# KiCad board KLST_PANDA_PROTO.kicad_pcb
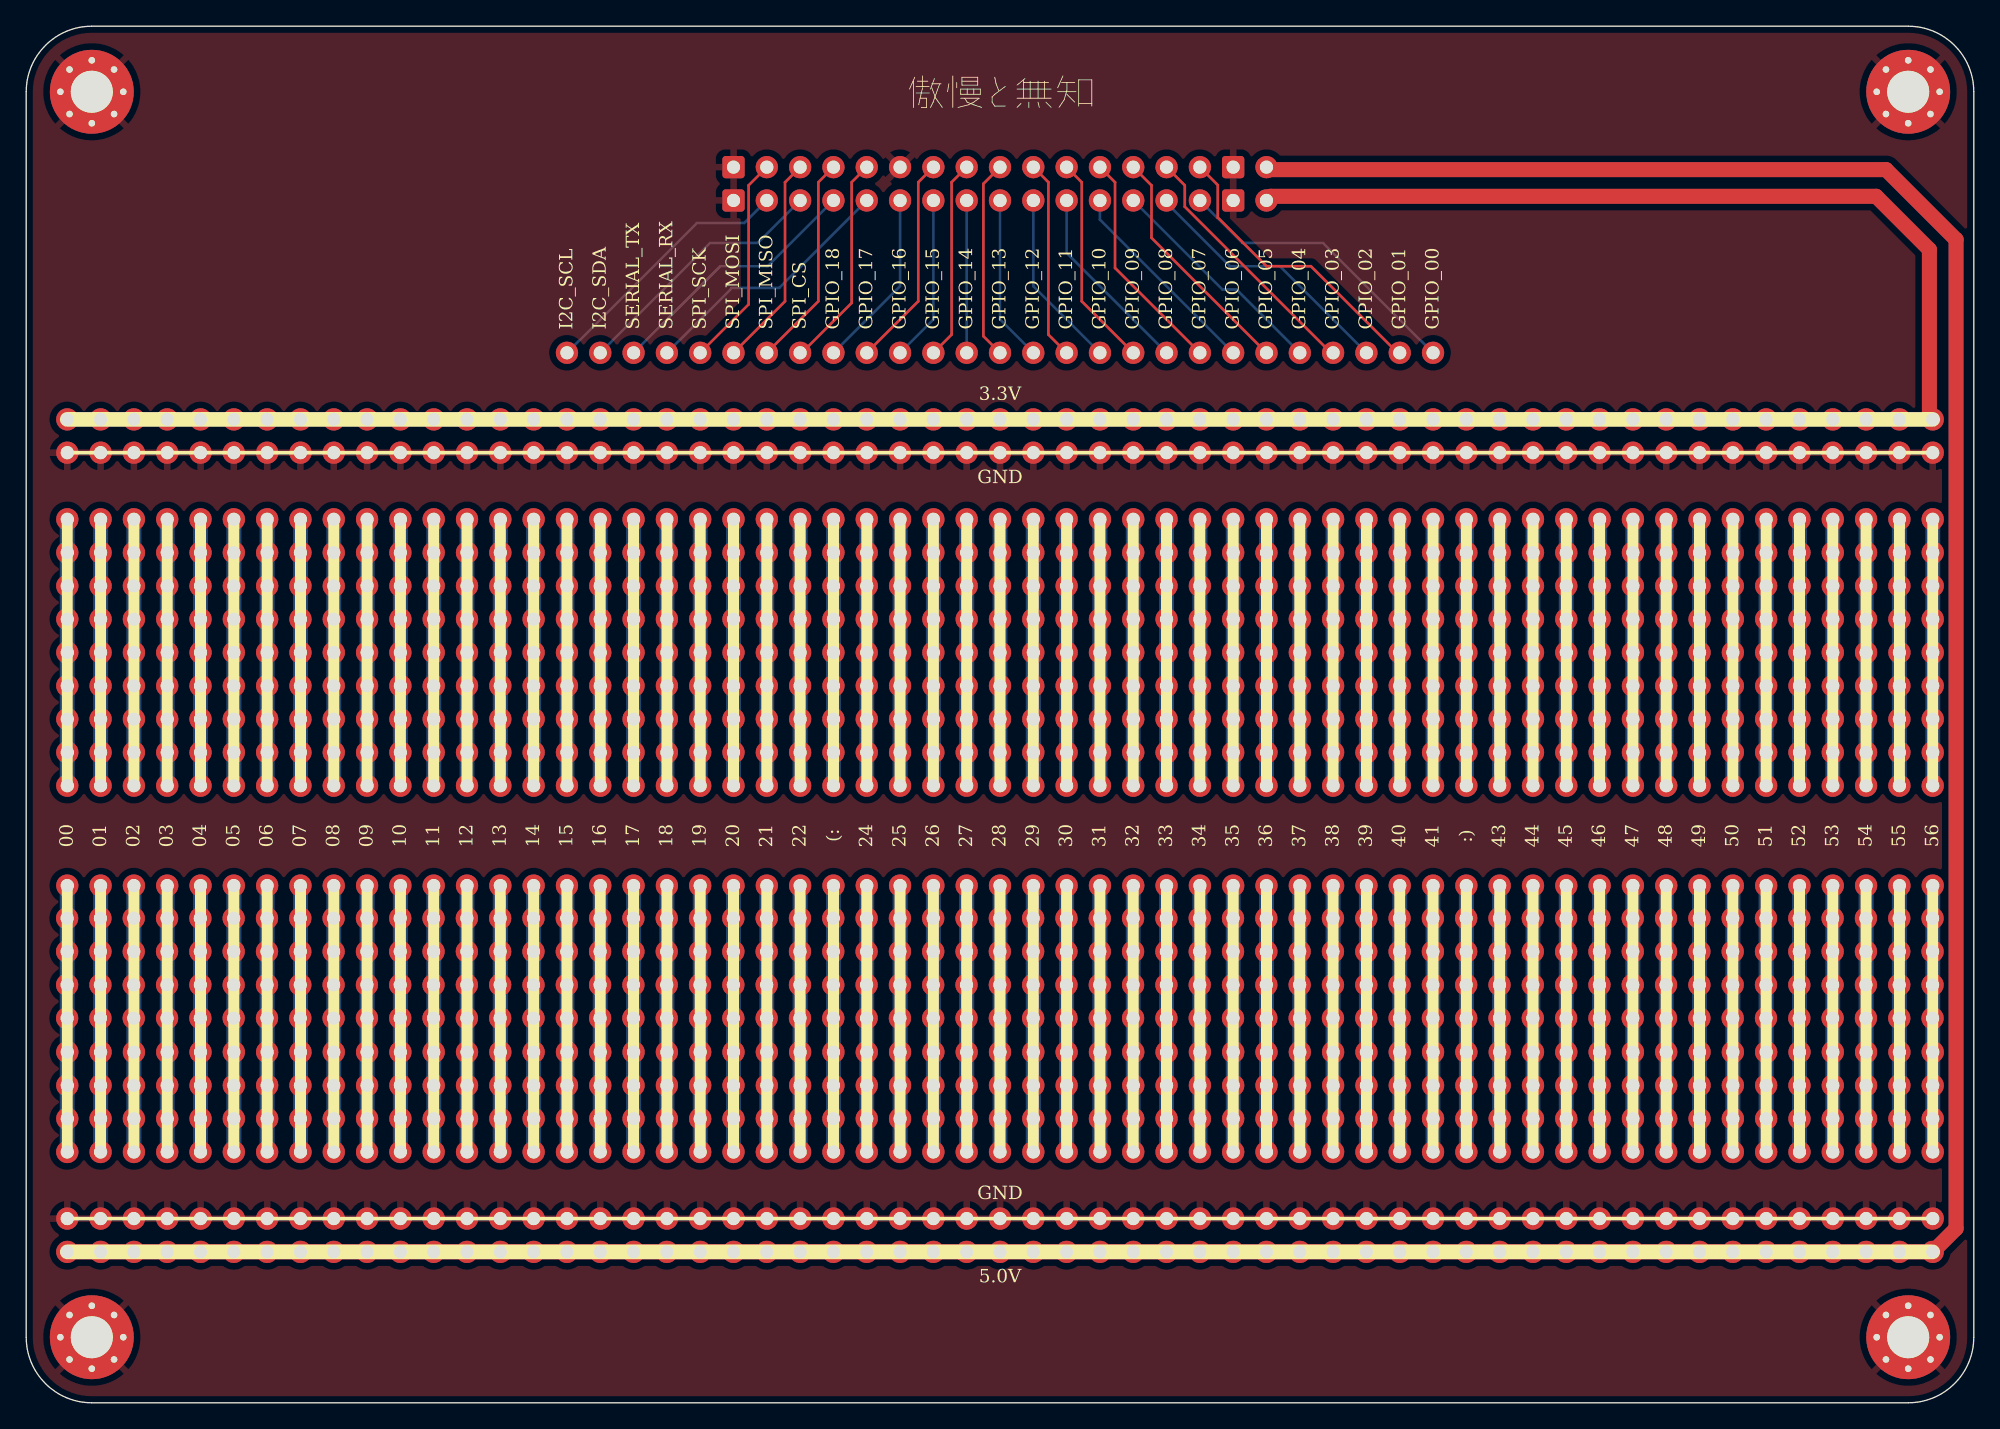
[diagram p0: board, top side]
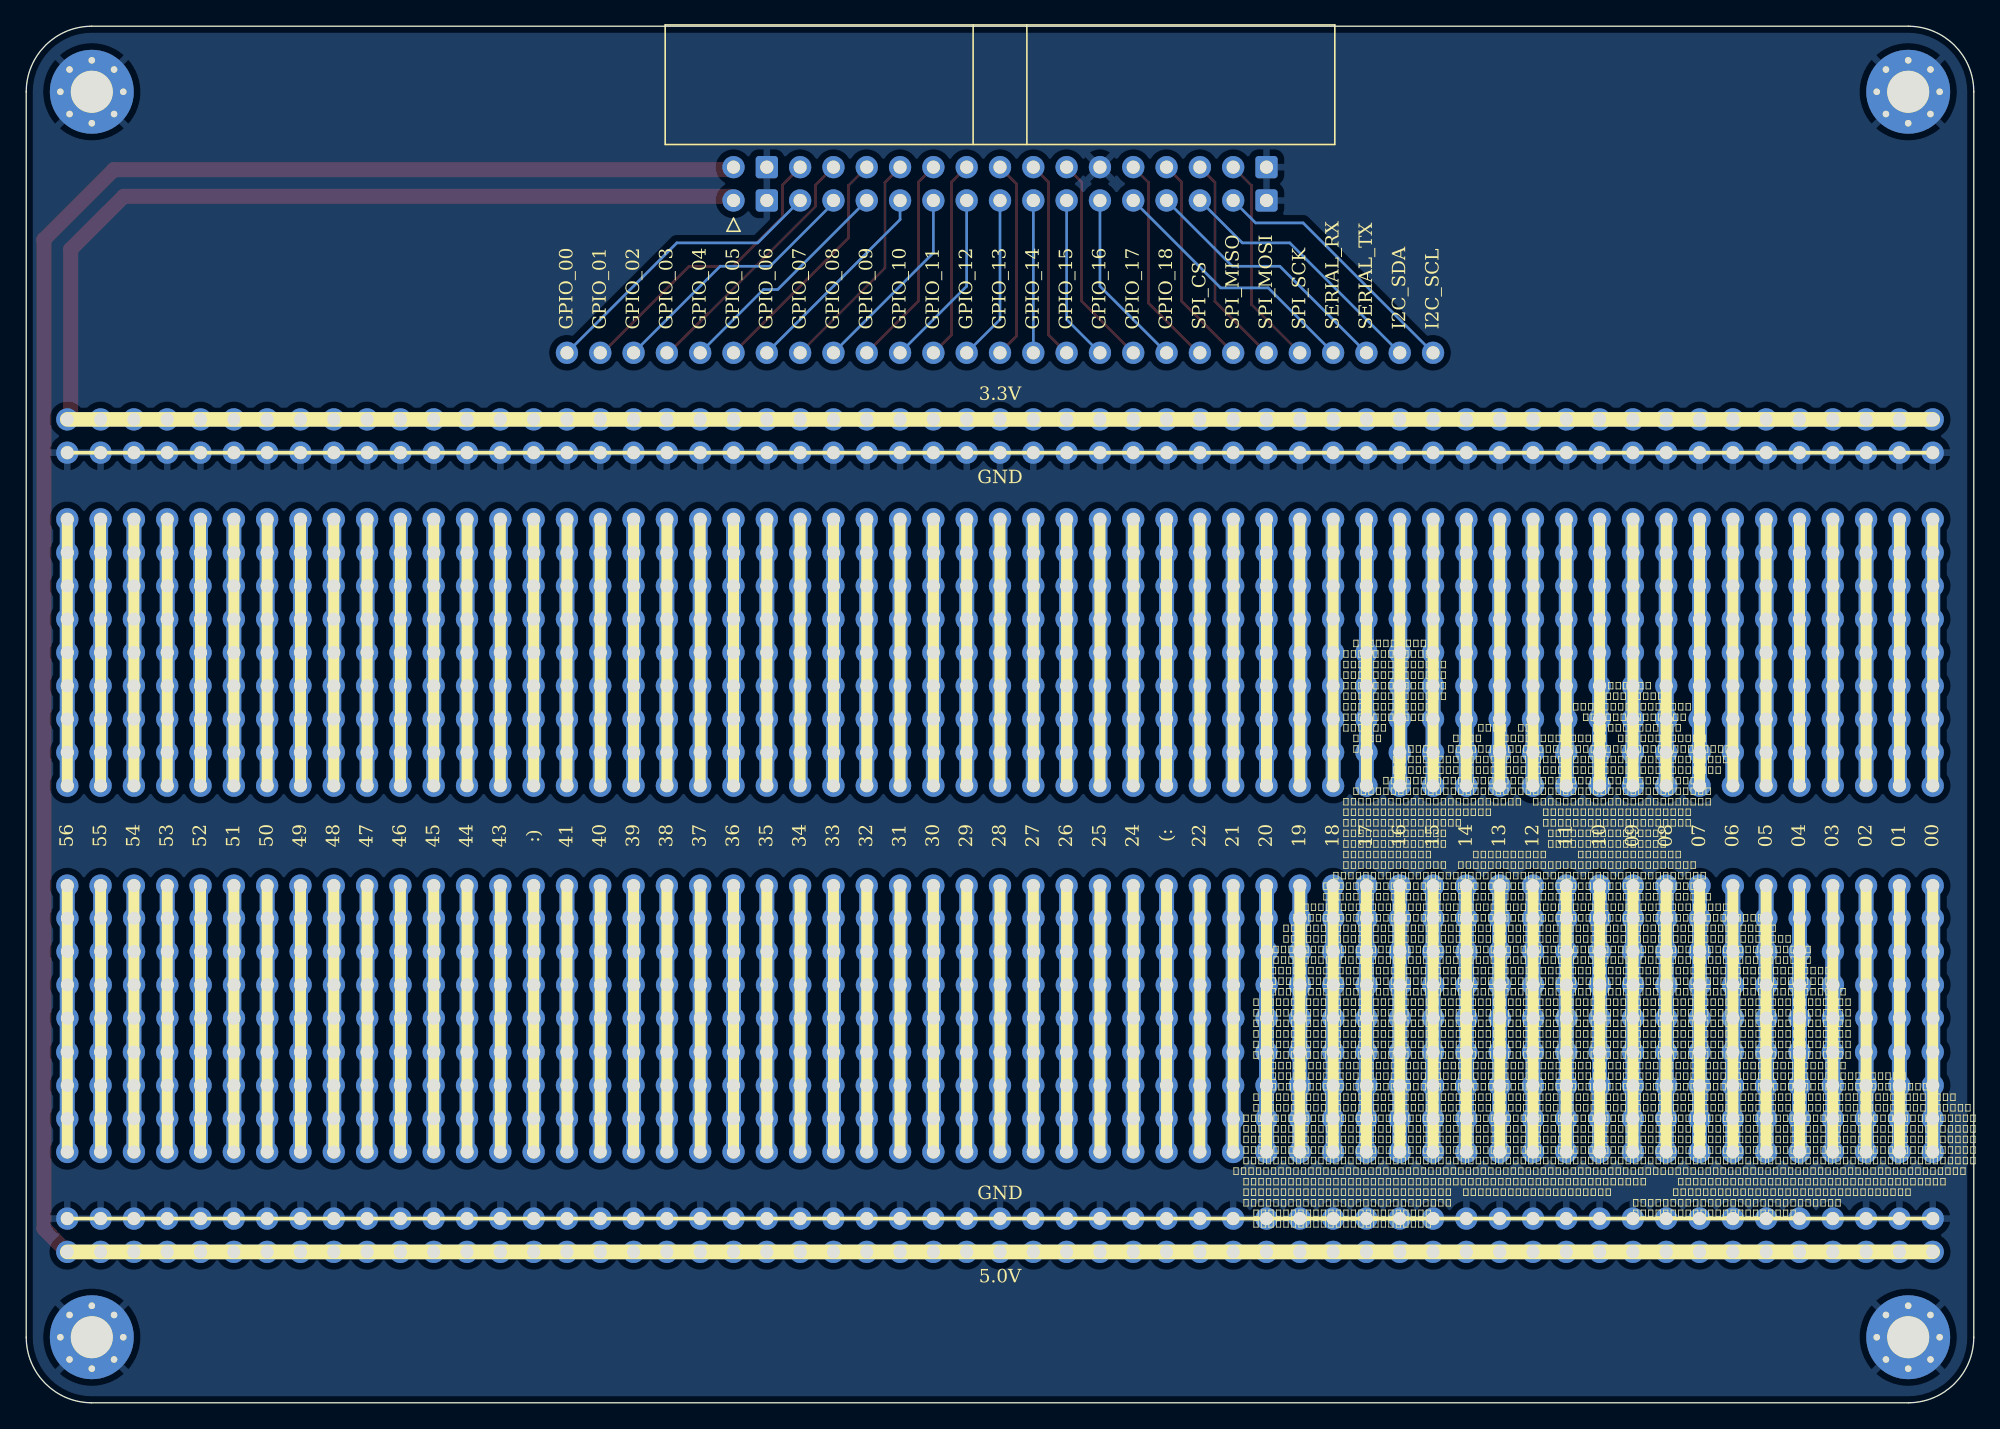
[diagram p1: board, bottom side, seen from below]

Outline 148.5 x 105 mm; copper layers: Top, Bottom. Coordinates in mm from the lower left corner of the outline.
Outline path: 0,100 arc(1.46,103.54) 5,105 143.5,105 arc(147.04,103.54) 148.5,100 148.5,5 arc(147.04,1.46) 143.5,0 5,0 arc(1.46,1.46) 0,5 0,100

## Placement (name value [footprint] x y rotation side)
H1  M3 Mounting Hole  [MountingHole_3.2mm_M3_Pad_Via]  5 100 0 top
H2  M3 Mounting Hole  [MountingHole_3.2mm_M3_Pad_Via]  143.5 100 0 top
H3  M3 Mounting Hole  [MountingHole_3.2mm_M3_Pad_Via]  5 5 0 top
H4  M3 Mounting Hole  [MountingHole_3.2mm_M3_Pad_Via]  143.5 5 0 top
J1  IDC_CONNECTOR  [PinHeader_1x27_P2.54mm_Vertical]  41.23 80.09 90 top
J2  GPIO  [IDC-Header_2x17_P2.54mm_Horizontal]  94.57 91.71 90 bottom
J3  GND_RAIL  [KLST_PinHeader_1x57_P2.54mm_Vertical]  3.13 11.51 90 top
J4  3.3V_RAIL  [KLST_PinHeader_1x57_P2.54mm_Vertical]  3.13 14.05 90 top
J5  R00  [KLST_PinHeader_1x57_P2.54mm_Vertical]  3.13 19.13 90 top
J6  R01  [KLST_PinHeader_1x57_P2.54mm_Vertical]  3.13 21.67 90 top
J7  R02  [KLST_PinHeader_1x57_P2.54mm_Vertical]  3.13 24.21 90 top
J8  R03  [KLST_PinHeader_1x57_P2.54mm_Vertical]  3.13 26.75 90 top
J9  R04  [KLST_PinHeader_1x57_P2.54mm_Vertical]  3.12 29.34 90 top
J10  R05  [KLST_PinHeader_1x57_P2.54mm_Vertical]  3.12 31.88 90 top
J11  R06  [KLST_PinHeader_1x57_P2.54mm_Vertical]  3.12 34.42 90 top
J12  R07  [KLST_PinHeader_1x57_P2.54mm_Vertical]  3.12 36.96 90 top
J13  R08  [KLST_PinHeader_1x57_P2.54mm_Vertical]  3.13 39.45 90 top
J14  R00  [KLST_PinHeader_1x57_P2.54mm_Vertical]  3.13 47.07 90 top
J15  R01  [KLST_PinHeader_1x57_P2.54mm_Vertical]  3.13 49.61 90 top
J16  R02  [KLST_PinHeader_1x57_P2.54mm_Vertical]  3.13 52.15 90 top
J17  R03  [KLST_PinHeader_1x57_P2.54mm_Vertical]  3.13 54.69 90 top
J18  R04  [KLST_PinHeader_1x57_P2.54mm_Vertical]  3.13 57.23 90 top
J19  R05  [KLST_PinHeader_1x57_P2.54mm_Vertical]  3.13 59.77 90 top
J20  R06  [KLST_PinHeader_1x57_P2.54mm_Vertical]  3.13 62.31 90 top
J21  R07  [KLST_PinHeader_1x57_P2.54mm_Vertical]  3.13 64.85 90 top
J22  R08  [KLST_PinHeader_1x57_P2.54mm_Vertical]  3.13 67.39 90 top
J23  GND_RAIL  [KLST_PinHeader_1x57_P2.54mm_Vertical]  3.13 72.47 90 top
J24  5V_RAIL  [KLST_PinHeader_1x57_P2.54mm_Vertical]  3.13 75.01 90 top

## Library data of the parts
H1-H4 = -: ki_fp_filters: MountingHole*Pad*
J1 = -: Description: Generic connector, single row, 01x27, script generated; ki_fp_filters: Connector*:*_1x??_*
J2 = -: JLCPCB: C79866; ki_fp_filters: Connector*:*_2x??_*
J3-J24 = -: Description: "Generic connector, single row, 01x57, script generated"; ki_fp_filters: Connector*:*_1x??_*

## Footprints (pads in the part's own frame, mm; a bottom-side part is the same pattern mirrored in y, then rotated)
IDC-Header_2x17_P2.54mm_Horizontal
  oval 1.7x1.7 hole 1: 1(0,0)
  round 1.7 hole 1: 2(2.54,0) 5(0,-5.08) 6(2.54,-5.08) 7(0,-7.62) 8(2.54,-7.62) 9(0,-10.16) 10(2.54,-10.16) 11(0,-12.7) 12(2.54,-12.7) 13(0,-15.24) 14(2.54,-15.24) 15(0,-17.78) 16(2.54,-17.78) 17(0,-20.32) 18(2.54,-20.32) 19(0,-22.86) 20(2.54,-22.86) 21(0,-25.4) 22(2.54,-25.4) 23(0,-27.94) 24(2.54,-27.94) 25(0,-30.48) 26(2.54,-30.48) 27(0,-33.02) 28(2.54,-33.02) 29(0,-35.56) 30(2.54,-35.56) 31(0,-38.1) 32(2.54,-38.1)
  rrect 1.7x1.7 hole 1: 3(0,-2.54) 4(2.54,-2.54) 33(0,-40.64) 34(2.54,-40.64)
KLST_PinHeader_1x57_P2.54mm_Vertical
  oval 1.7x1.7 hole 1: 1(0,0) 2(0,-2.54) 3(0,-5.08) 4(0,-7.62) 5(0,-10.16) 6(0,-12.7) 7(0,-15.24) 8(0,-17.78) 9(0,-20.32) 10(0,-22.86) 11(0,-25.4) 12(0,-27.94) 13(0,-30.48) 14(0,-33.02) 15(0,-35.56) 16(0,-38.1) 17(0,-40.64) 18(0,-43.18) 19(0,-45.72) 20(0,-48.26) 21(0,-50.8) 22(0,-53.34) 23(0,-55.88) 24(0,-58.42) 25(0,-60.96) 26(0,-63.5) 27(0,-66.04) 28(0,-68.58) 29(0,-71.12) 30(0,-73.66) 31(0,-76.2) 32(0,-78.74) 33(0,-81.28) 34(0,-83.82) 35(0,-86.36) 36(0,-88.9) 37(0,-91.44) 38(0,-93.98) 39(0,-96.52) 40(0,-99.06) 41(0,-101.6) 42(0,-104.14) 43(0,-106.68) 44(0,-109.22) 45(0,-111.76) 46(0,-114.3) 47(0,-116.84) 48(0,-119.38) 49(0,-121.92) 50(0,-124.46) 51(0,-127) 52(0,-129.54) 53(0,-132.08) 54(0,-134.62) 55(0,-137.16) 56(0,-139.7) 57(0,-142.24)
MountingHole_3.2mm_M3_Pad_Via
  round 0.8 hole 0.5: 1(-2.4,0) 1(-1.697,1.697) 1(-1.697,-1.697) 1(0,2.4) 1(0,-2.4) 1(1.697,1.697) 1(1.697,-1.697) 1(2.4,0)
  round 6.4 hole 3.2: 1(0,0)
PinHeader_1x27_P2.54mm_Vertical
  oval 1.7x1.7 hole 1: 1(0,0) 2(0,-2.54) 3(0,-5.08) 4(0,-7.62) 5(0,-10.16) 6(0,-12.7) 7(0,-15.24) 8(0,-17.78) 9(0,-20.32) 10(0,-22.86) 11(0,-25.4) 12(0,-27.94) 13(0,-30.48) 14(0,-33.02) 15(0,-35.56) 16(0,-38.1) 17(0,-40.64) 18(0,-43.18) 19(0,-45.72) 20(0,-48.26) 21(0,-50.8) 22(0,-53.34) 23(0,-55.88) 24(0,-58.42) 25(0,-60.96) 26(0,-63.5) 27(0,-66.04)

## Nets
+3.3V: J2.1 J24.1 J24.2 J24.3 J24.4 J24.5 J24.6 J24.7 J24.8 J24.9 J24.10 J24.11 J24.12 J24.13 J24.14 J24.15 J24.16 J24.17 J24.18 J24.19 J24.20 J24.21 J24.22 J24.23 J24.24 J24.25 J24.26 J24.27 J24.28 J24.29 J24.30 J24.31 J24.32 J24.33 J24.34 J24.35 J24.36 J24.37 J24.38 J24.39 J24.40 J24.41 J24.42 J24.43 J24.44 J24.45 J24.46 J24.47 J24.48 J24.49 J24.50 J24.51 J24.52 J24.53 J24.54 J24.55 J24.56 J24.57
+5V: J2.2 J3.1 J3.2 J3.3 J3.4 J3.5 J3.6 J3.7 J3.8 J3.9 J3.10 J3.11 J3.12 J3.13 J3.14 J3.15 J3.16 J3.17 J3.18 J3.19 J3.20 J3.21 J3.22 J3.23 J3.24 J3.25 J3.26 J3.27 J3.28 J3.29 J3.30 J3.31 J3.32 J3.33 J3.34 J3.35 J3.36 J3.37 J3.38 J3.39 J3.40 J3.41 J3.42 J3.43 J3.44 J3.45 J3.46 J3.47 J3.48 J3.49 J3.50 J3.51 J3.52 J3.53 J3.54 J3.55 J3.56 J3.57
GND: H1.1 H2.1 H3.1 H4.1 J2.3 J2.4 J2.24 J2.33 J2.34 J4.1 J4.2 J4.3 J4.4 J4.5 J4.6 J4.7 J4.8 J4.9 J4.10 J4.11 J4.12 J4.13 J4.14 J4.15 J4.16 J4.17 J4.18 J4.19 J4.20 J4.21 J4.22 J4.23 J4.24 J4.25 J4.26 J4.27 J4.28 J4.29 J4.30 J4.31 J4.32 J4.33 J4.34 J4.35 J4.36 J4.37 J4.38 J4.39 J4.40 J4.41 J4.42 J4.43 J4.44 J4.45 J4.46 J4.47 J4.48 J4.49 J4.50 J4.51 J4.52 J4.53 J4.54 J4.55 J4.56 J4.57 J23.1 J23.2 J23.3 J23.4 J23.5 J23.6 J23.7 J23.8 J23.9 J23.10 J23.11 J23.12 J23.13 J23.14 J23.15 J23.16 J23.17 J23.18 J23.19 J23.20 J23.21 J23.22 J23.23 J23.24 J23.25 J23.26 J23.27 J23.28 J23.29 J23.30 J23.31 J23.32 J23.33 J23.34 J23.35 J23.36 J23.37 J23.38 J23.39 J23.40 J23.41 J23.42 J23.43 J23.44 J23.45 J23.46 J23.47 J23.48 J23.49 J23.50 J23.51 J23.52 J23.53 J23.54 J23.55 J23.56 J23.57
GPIO_00_PWM: J1.27 J2.5
GPIO_01_PWM: J1.26 J2.6
GPIO_02_PWM: J1.25 J2.7
GPIO_03_PWM: J1.24 J2.8
GPIO_04_ADC: J1.23 J2.9
GPIO_05_ADC: J1.22 J2.10
GPIO_06: J1.21 J2.11
GPIO_07: J1.20 J2.12
GPIO_08: J1.19 J2.13
GPIO_09: J1.18 J2.14
GPIO_10: J1.17 J2.15
GPIO_11: J1.16 J2.16
GPIO_12: J1.15 J2.17
GPIO_13: J1.14 J2.18
GPIO_14: J1.13 J2.19
GPIO_15: J1.12 J2.20
GPIO_16: J1.11 J2.21
GPIO_17: J1.10 J2.22
GPIO_18: J1.9 J2.23
I2C_USR_SCL: J1.1 J2.31
I2C_USR_SDA: J1.2 J2.29
SERIAL_USR_RX: J1.4 J2.25
SERIAL_USR_TX: J1.3 J2.27
SPI_USR_CS: J1.8 J2.26
SPI_USR_MISO: J1.7 J2.28
SPI_USR_MOSI: J1.6 J2.30
SPI_USR_SCK: J1.5 J2.32
Net-(J10-Pin_1): J5.1 J6.1 J7.1 J8.1 J9.1 J10.1 J11.1 J12.1 J13.1
Net-(J10-Pin_2): J5.2 J6.2 J7.2 J8.2 J9.2 J10.2 J11.2 J12.2 J13.2
Net-(J10-Pin_3): J5.3 J6.3 J7.3 J8.3 J9.3 J10.3 J11.3 J12.3 J13.3
Net-(J10-Pin_4): J5.4 J6.4 J7.4 J8.4 J9.4 J10.4 J11.4 J12.4 J13.4
Net-(J10-Pin_5): J5.5 J6.5 J7.5 J8.5 J9.5 J10.5 J11.5 J12.5 J13.5
Net-(J10-Pin_6): J5.6 J6.6 J7.6 J8.6 J9.6 J10.6 J11.6 J12.6 J13.6
Net-(J10-Pin_7): J5.7 J6.7 J7.7 J8.7 J9.7 J10.7 J11.7 J12.7 J13.7
Net-(J10-Pin_8): J5.8 J6.8 J7.8 J8.8 J9.8 J10.8 J11.8 J12.8 J13.8
Net-(J10-Pin_9): J5.9 J6.9 J7.9 J8.9 J9.9 J10.9 J11.9 J12.9 J13.9
Net-(J10-Pin_10): J5.10 J6.10 J7.10 J8.10 J9.10 J10.10 J11.10 J12.10 J13.10
Net-(J10-Pin_11): J5.11 J6.11 J7.11 J8.11 J9.11 J10.11 J11.11 J12.11 J13.11
Net-(J10-Pin_12): J5.12 J6.12 J7.12 J8.12 J9.12 J10.12 J11.12 J12.12 J13.12
Net-(J10-Pin_13): J5.13 J6.13 J7.13 J8.13 J9.13 J10.13 J11.13 J12.13 J13.13
Net-(J10-Pin_14): J5.14 J6.14 J7.14 J8.14 J9.14 J10.14 J11.14 J12.14 J13.14
Net-(J10-Pin_15): J5.15 J6.15 J7.15 J8.15 J9.15 J10.15 J11.15 J12.15 J13.15
Net-(J10-Pin_16): J5.16 J6.16 J7.16 J8.16 J9.16 J10.16 J11.16 J12.16 J13.16
Net-(J10-Pin_17): J5.17 J6.17 J7.17 J8.17 J9.17 J10.17 J11.17 J12.17 J13.17
Net-(J10-Pin_18): J5.18 J6.18 J7.18 J8.18 J9.18 J10.18 J11.18 J12.18 J13.18
Net-(J10-Pin_19): J5.19 J6.19 J7.19 J8.19 J9.19 J10.19 J11.19 J12.19 J13.19
Net-(J10-Pin_20): J5.20 J6.20 J7.20 J8.20 J9.20 J10.20 J11.20 J12.20 J13.20
Net-(J10-Pin_21): J5.21 J6.21 J7.21 J8.21 J9.21 J10.21 J11.21 J12.21 J13.21
Net-(J10-Pin_22): J5.22 J6.22 J7.22 J8.22 J9.22 J10.22 J11.22 J12.22 J13.22
Net-(J10-Pin_23): J5.23 J6.23 J7.23 J8.23 J9.23 J10.23 J11.23 J12.23 J13.23
Net-(J10-Pin_24): J5.24 J6.24 J7.24 J8.24 J9.24 J10.24 J11.24 J12.24 J13.24
Net-(J10-Pin_25): J5.25 J6.25 J7.25 J8.25 J9.25 J10.25 J11.25 J12.25 J13.25
Net-(J10-Pin_26): J5.26 J6.26 J7.26 J8.26 J9.26 J10.26 J11.26 J12.26 J13.26
Net-(J10-Pin_27): J5.27 J6.27 J7.27 J8.27 J9.27 J10.27 J11.27 J12.27 J13.27
Net-(J10-Pin_28): J5.28 J6.28 J7.28 J8.28 J9.28 J10.28 J11.28 J12.28 J13.28
Net-(J10-Pin_29): J5.29 J6.29 J7.29 J8.29 J9.29 J10.29 J11.29 J12.29 J13.29
Net-(J10-Pin_30): J5.30 J6.30 J7.30 J8.30 J9.30 J10.30 J11.30 J12.30 J13.30
Net-(J10-Pin_31): J5.31 J6.31 J7.31 J8.31 J9.31 J10.31 J11.31 J12.31 J13.31
Net-(J10-Pin_32): J5.32 J6.32 J7.32 J8.32 J9.32 J10.32 J11.32 J12.32 J13.32
Net-(J10-Pin_33): J5.33 J6.33 J7.33 J8.33 J9.33 J10.33 J11.33 J12.33 J13.33
Net-(J10-Pin_34): J5.34 J6.34 J7.34 J8.34 J9.34 J10.34 J11.34 J12.34 J13.34
Net-(J10-Pin_35): J5.35 J6.35 J7.35 J8.35 J9.35 J10.35 J11.35 J12.35 J13.35
Net-(J10-Pin_36): J5.36 J6.36 J7.36 J8.36 J9.36 J10.36 J11.36 J12.36 J13.36
Net-(J10-Pin_37): J5.37 J6.37 J7.37 J8.37 J9.37 J10.37 J11.37 J12.37 J13.37
Net-(J10-Pin_38): J5.38 J6.38 J7.38 J8.38 J9.38 J10.38 J11.38 J12.38 J13.38
Net-(J10-Pin_39): J5.39 J6.39 J7.39 J8.39 J9.39 J10.39 J11.39 J12.39 J13.39
Net-(J10-Pin_40): J5.40 J6.40 J7.40 J8.40 J9.40 J10.40 J11.40 J12.40 J13.40
Net-(J10-Pin_41): J5.41 J6.41 J7.41 J8.41 J9.41 J10.41 J11.41 J12.41 J13.41
Net-(J10-Pin_42): J5.42 J6.42 J7.42 J8.42 J9.42 J10.42 J11.42 J12.42 J13.42
Net-(J10-Pin_43): J5.43 J6.43 J7.43 J8.43 J9.43 J10.43 J11.43 J12.43 J13.43
Net-(J10-Pin_44): J5.44 J6.44 J7.44 J8.44 J9.44 J10.44 J11.44 J12.44 J13.44
Net-(J10-Pin_45): J5.45 J6.45 J7.45 J8.45 J9.45 J10.45 J11.45 J12.45 J13.45
Net-(J10-Pin_46): J5.46 J6.46 J7.46 J8.46 J9.46 J10.46 J11.46 J12.46 J13.46
Net-(J10-Pin_47): J5.47 J6.47 J7.47 J8.47 J9.47 J10.47 J11.47 J12.47 J13.47
Net-(J10-Pin_48): J5.48 J6.48 J7.48 J8.48 J9.48 J10.48 J11.48 J12.48 J13.48
Net-(J10-Pin_49): J5.49 J6.49 J7.49 J8.49 J9.49 J10.49 J11.49 J12.49 J13.49
Net-(J10-Pin_50): J5.50 J6.50 J7.50 J8.50 J9.50 J10.50 J11.50 J12.50 J13.50
Net-(J10-Pin_51): J5.51 J6.51 J7.51 J8.51 J9.51 J10.51 J11.51 J12.51 J13.51
Net-(J10-Pin_52): J5.52 J6.52 J7.52 J8.52 J9.52 J10.52 J11.52 J12.52 J13.52
Net-(J10-Pin_53): J5.53 J6.53 J7.53 J8.53 J9.53 J10.53 J11.53 J12.53 J13.53
Net-(J10-Pin_54): J5.54 J6.54 J7.54 J8.54 J9.54 J10.54 J11.54 J12.54 J13.54
Net-(J10-Pin_55): J5.55 J6.55 J7.55 J8.55 J9.55 J10.55 J11.55 J12.55 J13.55
Net-(J10-Pin_56): J5.56 J6.56 J7.56 J8.56 J9.56 J10.56 J11.56 J12.56 J13.56
Net-(J10-Pin_57): J5.57 J6.57 J7.57 J8.57 J9.57 J10.57 J11.57 J12.57 J13.57
Net-(J14-Pin_1): J14.1 J15.1 J16.1 J17.1 J18.1 J19.1 J20.1 J21.1 J22.1
Net-(J14-Pin_2): J14.2 J15.2 J16.2 J17.2 J18.2 J19.2 J20.2 J21.2 J22.2
Net-(J14-Pin_3): J14.3 J15.3 J16.3 J17.3 J18.3 J19.3 J20.3 J21.3 J22.3
Net-(J14-Pin_4): J14.4 J15.4 J16.4 J17.4 J18.4 J19.4 J20.4 J21.4 J22.4
Net-(J14-Pin_5): J14.5 J15.5 J16.5 J17.5 J18.5 J19.5 J20.5 J21.5 J22.5
Net-(J14-Pin_6): J14.6 J15.6 J16.6 J17.6 J18.6 J19.6 J20.6 J21.6 J22.6
Net-(J14-Pin_7): J14.7 J15.7 J16.7 J17.7 J18.7 J19.7 J20.7 J21.7 J22.7
Net-(J14-Pin_8): J14.8 J15.8 J16.8 J17.8 J18.8 J19.8 J20.8 J21.8 J22.8
Net-(J14-Pin_9): J14.9 J15.9 J16.9 J17.9 J18.9 J19.9 J20.9 J21.9 J22.9
Net-(J14-Pin_10): J14.10 J15.10 J16.10 J17.10 J18.10 J19.10 J20.10 J21.10 J22.10
Net-(J14-Pin_11): J14.11 J15.11 J16.11 J17.11 J18.11 J19.11 J20.11 J21.11 J22.11
Net-(J14-Pin_12): J14.12 J15.12 J16.12 J17.12 J18.12 J19.12 J20.12 J21.12 J22.12
Net-(J14-Pin_13): J14.13 J15.13 J16.13 J17.13 J18.13 J19.13 J20.13 J21.13 J22.13
Net-(J14-Pin_14): J14.14 J15.14 J16.14 J17.14 J18.14 J19.14 J20.14 J21.14 J22.14
Net-(J14-Pin_15): J14.15 J15.15 J16.15 J17.15 J18.15 J19.15 J20.15 J21.15 J22.15
Net-(J14-Pin_16): J14.16 J15.16 J16.16 J17.16 J18.16 J19.16 J20.16 J21.16 J22.16
Net-(J14-Pin_17): J14.17 J15.17 J16.17 J17.17 J18.17 J19.17 J20.17 J21.17 J22.17
Net-(J14-Pin_18): J14.18 J15.18 J16.18 J17.18 J18.18 J19.18 J20.18 J21.18 J22.18
Net-(J14-Pin_19): J14.19 J15.19 J16.19 J17.19 J18.19 J19.19 J20.19 J21.19 J22.19
Net-(J14-Pin_20): J14.20 J15.20 J16.20 J17.20 J18.20 J19.20 J20.20 J21.20 J22.20
Net-(J14-Pin_21): J14.21 J15.21 J16.21 J17.21 J18.21 J19.21 J20.21 J21.21 J22.21
Net-(J14-Pin_22): J14.22 J15.22 J16.22 J17.22 J18.22 J19.22 J20.22 J21.22 J22.22
Net-(J14-Pin_23): J14.23 J15.23 J16.23 J17.23 J18.23 J19.23 J20.23 J21.23 J22.23
Net-(J14-Pin_24): J14.24 J15.24 J16.24 J17.24 J18.24 J19.24 J20.24 J21.24 J22.24
Net-(J14-Pin_25): J14.25 J15.25 J16.25 J17.25 J18.25 J19.25 J20.25 J21.25 J22.25
Net-(J14-Pin_26): J14.26 J15.26 J16.26 J17.26 J18.26 J19.26 J20.26 J21.26 J22.26
Net-(J14-Pin_27): J14.27 J15.27 J16.27 J17.27 J18.27 J19.27 J20.27 J21.27 J22.27
Net-(J14-Pin_28): J14.28 J15.28 J16.28 J17.28 J18.28 J19.28 J20.28 J21.28 J22.28
Net-(J14-Pin_29): J14.29 J15.29 J16.29 J17.29 J18.29 J19.29 J20.29 J21.29 J22.29
Net-(J14-Pin_30): J14.30 J15.30 J16.30 J17.30 J18.30 J19.30 J20.30 J21.30 J22.30
Net-(J14-Pin_31): J14.31 J15.31 J16.31 J17.31 J18.31 J19.31 J20.31 J21.31 J22.31
Net-(J14-Pin_32): J14.32 J15.32 J16.32 J17.32 J18.32 J19.32 J20.32 J21.32 J22.32
Net-(J14-Pin_33): J14.33 J15.33 J16.33 J17.33 J18.33 J19.33 J20.33 J21.33 J22.33
Net-(J14-Pin_34): J14.34 J15.34 J16.34 J17.34 J18.34 J19.34 J20.34 J21.34 J22.34
Net-(J14-Pin_35): J14.35 J15.35 J16.35 J17.35 J18.35 J19.35 J20.35 J21.35 J22.35
Net-(J14-Pin_36): J14.36 J15.36 J16.36 J17.36 J18.36 J19.36 J20.36 J21.36 J22.36
Net-(J14-Pin_37): J14.37 J15.37 J16.37 J17.37 J18.37 J19.37 J20.37 J21.37 J22.37
Net-(J14-Pin_38): J14.38 J15.38 J16.38 J17.38 J18.38 J19.38 J20.38 J21.38 J22.38
Net-(J14-Pin_39): J14.39 J15.39 J16.39 J17.39 J18.39 J19.39 J20.39 J21.39 J22.39
Net-(J14-Pin_40): J14.40 J15.40 J16.40 J17.40 J18.40 J19.40 J20.40 J21.40 J22.40
Net-(J14-Pin_41): J14.41 J15.41 J16.41 J17.41 J18.41 J19.41 J20.41 J21.41 J22.41
Net-(J14-Pin_42): J14.42 J15.42 J16.42 J17.42 J18.42 J19.42 J20.42 J21.42 J22.42
Net-(J14-Pin_43): J14.43 J15.43 J16.43 J17.43 J18.43 J19.43 J20.43 J21.43 J22.43
Net-(J14-Pin_44): J14.44 J15.44 J16.44 J17.44 J18.44 J19.44 J20.44 J21.44 J22.44
Net-(J14-Pin_45): J14.45 J15.45 J16.45 J17.45 J18.45 J19.45 J20.45 J21.45 J22.45
Net-(J14-Pin_46): J14.46 J15.46 J16.46 J17.46 J18.46 J19.46 J20.46 J21.46 J22.46
Net-(J14-Pin_47): J14.47 J15.47 J16.47 J17.47 J18.47 J19.47 J20.47 J21.47 J22.47
Net-(J14-Pin_48): J14.48 J15.48 J16.48 J17.48 J18.48 J19.48 J20.48 J21.48 J22.48
Net-(J14-Pin_49): J14.49 J15.49 J16.49 J17.49 J18.49 J19.49 J20.49 J21.49 J22.49
Net-(J14-Pin_50): J14.50 J15.50 J16.50 J17.50 J18.50 J19.50 J20.50 J21.50 J22.50
Net-(J14-Pin_51): J14.51 J15.51 J16.51 J17.51 J18.51 J19.51 J20.51 J21.51 J22.51
Net-(J14-Pin_52): J14.52 J15.52 J16.52 J17.52 J18.52 J19.52 J20.52 J21.52 J22.52
Net-(J14-Pin_53): J14.53 J15.53 J16.53 J17.53 J18.53 J19.53 J20.53 J21.53 J22.53
Net-(J14-Pin_54): J14.54 J15.54 J16.54 J17.54 J18.54 J19.54 J20.54 J21.54 J22.54
Net-(J14-Pin_55): J14.55 J15.55 J16.55 J17.55 J18.55 J19.55 J20.55 J21.55 J22.55
Net-(J14-Pin_56): J14.56 J15.56 J16.56 J17.56 J18.56 J19.56 J20.56 J21.56 J22.56
Net-(J14-Pin_57): J14.57 J15.57 J16.57 J17.57 J18.57 J19.57 J20.57 J21.57 J22.57

## Routing (per net, layer and track width the routed paths; a pad name or vN(x,y) marks a point on that pad's centre or on a via; arc(x,y) is an arc through that point)
+3.3V: length 207.7
  Top w1.143: J24.57 145.12,75.26 145.12,87.96 141.05,92.03 94.89,92.03 J2.1
  Bottom w0.8: J24.1 J24.23 J24.45 J24.57
+5V: length 275.1
  Top w1.143: J2.2 94.76,94.06 141.81,94.06 147.15,88.73 147.15,13.29 J3.57 J3.1
GPIO_00_PWM: length 22.6
  Bottom w0.2: J2.5 92.73,88.47 98.89,88.47 J1.27
GPIO_01_PWM: length 22.6
  Top w0.2: J2.6 90.85,92.88 90.85,90.41 94.57,86.69 97.96,86.69 104.56,80.09 J1.26
GPIO_02_PWM: length 20.2
  Bottom w0.2: J2.7 86.95,91.52 91.78,86.69 95.59,86.69 J1.25
GPIO_03_PWM: length 19.5
  Top w0.2: J2.8 88.34,92.86 88.34,91.23 99.48,80.09 J1.24
GPIO_04_ADC: length 17.5
  Bottom w0.2: J1.23 92.28,84.92 91.2,84.92 J2.9
GPIO_05_ADC: length 18.4
  Top w0.2: J2.10 85.8,92.86 85.8,88.86 J1.22
GPIO_06: length 15.8
  Bottom w0.2: J2.11 81.87,90.25 J1.21
GPIO_07: length 17.3
  Top w0.2: J1.20 83.02,86.56 83.02,93.1 J2.12
GPIO_08: length 14.8
  Bottom w0.2: J1.19 79.33,87.71 J2.13
GPIO_09: length 16.3
  Top w0.2: J2.14 80.48,93.1 80.48,84.02 J1.18
GPIO_10: length 13.7
  Bottom w0.2: J1.17 76.79,85.17 J2.15
GPIO_11: length 15.2
  Top w0.2: J2.16 77.94,93.1 77.94,81.48 J1.16
GPIO_12: length 12.7
  Bottom w0.2: J1.15 74.25,82.63 J2.17
GPIO_13: length 15.2
  Top w0.2: J2.18 72.98,92.98 72.98,81.36 J1.14
GPIO_14: length 11.6
  Bottom w0.2: J2.19 J1.13
GPIO_15: length 15.2
  Top w0.2: J1.12 70.56,81.48 70.56,93.1 J2.20
GPIO_16: length 12.7
  Bottom w0.2: J2.21 69.17,82.63 J1.11
GPIO_17: length 16.3
  Top w0.2: J2.22 68.02,93.1 68.02,84.02 J1.10
GPIO_18: length 13.7
  Bottom w0.2: J1.9 66.63,85.17 J2.23
I2C_USR_SCL: length 20.1
  Bottom w0.2: J1.1 51.14,90 54.76,90 J2.31
I2C_USR_SDA: length 20.1
  Bottom w0.2: J1.2 52.15,88.47 55.77,88.47 J2.29
SERIAL_USR_RX: length 20.1
  Bottom w0.2: J2.25 57.42,85.04 53.8,85.04 J1.4
SERIAL_USR_TX: length 20.1
  Bottom w0.2: J1.3 52.91,86.69 56.53,86.69 J2.27
SPI_USR_CS: length 16.3
  Top w0.2: J2.26 62.94,93.1 62.94,83.89 59.14,80.09 J1.8
SPI_USR_MISO: length 16.3
  Top w0.2: J1.7 60.4,84.02 60.4,93.1 J2.28
SPI_USR_MOSI: length 16.3
  Top w0.2: J2.30 57.86,93.1 57.86,84.02 J1.6
SPI_USR_SCK: length 16.3
  Top w0.2: J2.32 55.08,92.86 55.08,83.78 J1.5
Net-(J10-Pin_1): length 20.3
  Bottom w1.143: J5.1 J13.1
Net-(J10-Pin_2): length 20.3
  Bottom w1.143: J13.2 J5.2
Net-(J10-Pin_3): length 20.3
  Bottom w1.143: J5.3 J13.3
Net-(J10-Pin_4): length 20.3
  Bottom w1.143: J13.4 J5.4
Net-(J10-Pin_5): length 20.3
  Bottom w1.143: J5.5 J13.5
Net-(J10-Pin_6): length 20.3
  Bottom w1.143: J13.6 J5.6
Net-(J10-Pin_7): length 20.3
  Bottom w1.143: J5.7 J13.7
Net-(J10-Pin_8): length 20.3
  Bottom w1.143: J13.8 J5.8
Net-(J10-Pin_9): length 20.3
  Bottom w1.143: J5.9 J13.9
Net-(J10-Pin_10): length 20.3
  Bottom w1.143: J13.10 J5.10
Net-(J10-Pin_11): length 20.3
  Bottom w1.143: J5.11 J13.11
Net-(J10-Pin_12): length 20.3
  Bottom w1.143: J13.12 J5.12
Net-(J10-Pin_13): length 20.3
  Bottom w1.143: J5.13 J13.13
Net-(J10-Pin_14): length 20.3
  Bottom w1.143: J5.14 J13.14
Net-(J10-Pin_15): length 20.3
  Bottom w1.143: J5.15 J13.15
Net-(J10-Pin_16): length 20.3
  Bottom w1.143: J13.16 J5.16
Net-(J10-Pin_17): length 20.3
  Bottom w1.143: J5.17 J13.17
Net-(J10-Pin_18): length 20.3
  Bottom w1.143: J13.18 J5.18
Net-(J10-Pin_19): length 20.3
  Bottom w1.143: J5.19 J13.19
Net-(J10-Pin_20): length 20.3
  Bottom w1.143: J13.20 J5.20
Net-(J10-Pin_21): length 20.3
  Bottom w1.143: J13.21 J5.21
Net-(J10-Pin_22): length 20.3
  Bottom w1.143: J5.22 J13.22
Net-(J10-Pin_23): length 20.3
  Bottom w1.143: J13.23 J5.23
Net-(J10-Pin_24): length 20.3
  Bottom w1.143: J5.24 J13.24
Net-(J10-Pin_25): length 20.3
  Bottom w1.143: J13.25 J5.25
Net-(J10-Pin_26): length 20.3
  Bottom w1.143: J5.26 J13.26
Net-(J10-Pin_27): length 20.3
  Bottom w1.143: J13.27 J5.27
Net-(J10-Pin_28): length 20.3
  Bottom w1.143: J5.28 J13.28
Net-(J10-Pin_29): length 20.3
  Bottom w1.143: J13.29 J5.29
Net-(J10-Pin_30): length 20.3
  Bottom w1.143: J5.30 J13.30
Net-(J10-Pin_31): length 20.3
  Bottom w1.143: J13.31 J5.31
Net-(J10-Pin_32): length 20.3
  Bottom w1.143: J5.32 J13.32
Net-(J10-Pin_33): length 20.3
  Bottom w1.143: J13.33 J5.33
Net-(J10-Pin_34): length 20.3
  Bottom w1.143: J5.34 J13.34
Net-(J10-Pin_35): length 20.3
  Bottom w1.143: J13.35 J5.35
Net-(J10-Pin_36): length 20.3
  Bottom w1.143: J5.36 J13.36
Net-(J10-Pin_37): length 20.3
  Bottom w1.143: J13.37 J5.37
Net-(J10-Pin_38): length 20.3
  Bottom w1.143: J5.38 J13.38
Net-(J10-Pin_39): length 20.3
  Bottom w1.143: J13.39 J5.39
Net-(J10-Pin_40): length 20.3
  Bottom w1.143: J13.40 J5.40
Net-(J10-Pin_41): length 20.3
  Bottom w1.143: J5.41 J13.41
Net-(J10-Pin_42): length 20.3
  Bottom w1.143: J13.42 J5.42
Net-(J10-Pin_43): length 20.3
  Bottom w1.143: J5.43 J13.43
Net-(J10-Pin_44): length 20.3
  Bottom w1.143: J13.44 J5.44
Net-(J10-Pin_45): length 20.3
  Bottom w1.143: J13.45 J5.45
Net-(J10-Pin_46): length 20.3
  Bottom w1.143: J5.46 J13.46
Net-(J10-Pin_47): length 20.3
  Bottom w1.143: J13.47 J5.47
Net-(J10-Pin_48): length 20.3
  Bottom w1.143: J5.48 J13.48
Net-(J10-Pin_49): length 20.3
  Bottom w1.143: J13.49 J5.49
Net-(J10-Pin_50): length 20.3
  Bottom w1.143: J5.50 J13.50
Net-(J10-Pin_51): length 20.3
  Bottom w1.143: J13.51 J5.51
Net-(J10-Pin_52): length 20.3
  Bottom w1.143: J13.52 J5.52
Net-(J10-Pin_53): length 20.3
  Bottom w1.143: J13.53 J5.53
Net-(J10-Pin_54): length 20.3
  Bottom w1.143: J5.54 J13.54
Net-(J10-Pin_55): length 20.3
  Bottom w1.143: J13.55 J5.55
Net-(J10-Pin_56): length 20.3
  Bottom w1.143: J5.56 J13.56
Net-(J10-Pin_57): length 20.3
  Bottom w1.143: J13.57 J5.57
Net-(J14-Pin_1): length 20.6
  Top w0.2: 2.88,67.64 2.88,67.9
  Bottom w1.143: J22.1 J14.1
Net-(J14-Pin_2): length 20.3
  Bottom w1.143: J22.2 J14.2
Net-(J14-Pin_3): length 20.3
  Bottom w1.143: J22.3 J14.3
Net-(J14-Pin_4): length 20.3
  Bottom w1.143: J22.4 J14.4
Net-(J14-Pin_5): length 20.3
  Bottom w1.143: J22.5 J14.5
Net-(J14-Pin_6): length 20.3
  Bottom w1.143: J22.6 J14.6
Net-(J14-Pin_7): length 20.3
  Bottom w1.143: J22.7 J14.7
Net-(J14-Pin_8): length 20.3
  Bottom w1.143: J22.8 J14.8
Net-(J14-Pin_9): length 20.3
  Bottom w1.143: J22.9 J14.9
Net-(J14-Pin_10): length 20.3
  Bottom w1.143: J22.10 J14.10
Net-(J14-Pin_11): length 20.3
  Bottom w1.143: J22.11 J14.11
Net-(J14-Pin_12): length 20.3
  Bottom w1.143: J22.12 J14.12
Net-(J14-Pin_13): length 20.3
  Bottom w1.143: J22.13 J14.13
Net-(J14-Pin_14): length 20.3
  Bottom w1.143: J22.14 J14.14
Net-(J14-Pin_15): length 20.3
  Bottom w1.143: J22.15 J14.15
Net-(J14-Pin_16): length 20.3
  Bottom w1.143: J22.16 J14.16
Net-(J14-Pin_17): length 20.3
  Bottom w1.143: J22.17 J14.17
Net-(J14-Pin_18): length 20.3
  Bottom w1.143: J22.18 J14.18
Net-(J14-Pin_19): length 20.3
  Bottom w1.143: J22.19 J14.19
Net-(J14-Pin_20): length 20.3
  Bottom w1.143: J22.20 J14.20
Net-(J14-Pin_21): length 20.3
  Bottom w1.143: J22.21 J14.21
Net-(J14-Pin_22): length 20.3
  Bottom w1.143: J22.22 J14.22
Net-(J14-Pin_23): length 20.3
  Bottom w1.143: J22.23 J14.23
Net-(J14-Pin_24): length 20.3
  Bottom w1.143: J22.24 J14.24
Net-(J14-Pin_25): length 20.3
  Bottom w1.143: J22.25 J14.25
Net-(J14-Pin_26): length 20.3
  Bottom w1.143: J22.26 J14.26
Net-(J14-Pin_27): length 20.3
  Bottom w1.143: J22.27 J14.27
Net-(J14-Pin_28): length 20.3
  Bottom w1.143: J22.28 J14.28
Net-(J14-Pin_29): length 20.3
  Bottom w1.143: J22.29 J14.29
Net-(J14-Pin_30): length 20.3
  Bottom w1.143: J22.30 J14.30
Net-(J14-Pin_31): length 20.3
  Bottom w1.143: J22.31 J14.31
Net-(J14-Pin_32): length 20.3
  Bottom w1.143: J22.32 J14.32
Net-(J14-Pin_33): length 20.3
  Bottom w1.143: J22.33 J14.33
Net-(J14-Pin_34): length 20.3
  Bottom w1.143: J22.34 J14.34
Net-(J14-Pin_35): length 20.3
  Bottom w1.143: J22.35 J14.35
Net-(J14-Pin_36): length 20.3
  Bottom w1.143: J22.36 J14.36
Net-(J14-Pin_37): length 20.3
  Bottom w1.143: J22.37 J14.37
Net-(J14-Pin_38): length 20.3
  Bottom w1.143: J22.38 J14.38
Net-(J14-Pin_39): length 20.3
  Bottom w1.143: J22.39 J14.39
Net-(J14-Pin_40): length 20.3
  Bottom w1.143: J22.40 J14.40
Net-(J14-Pin_41): length 20.3
  Bottom w1.143: J14.41 J22.41
Net-(J14-Pin_42): length 20.3
  Bottom w1.143: J22.42 J14.42
Net-(J14-Pin_43): length 20.3
  Bottom w1.143: J14.43 J22.43
Net-(J14-Pin_44): length 20.3
  Bottom w1.143: J22.44 J14.44
Net-(J14-Pin_45): length 20.3
  Bottom w1.143: J14.45 J22.45
Net-(J14-Pin_46): length 20.3
  Bottom w1.143: J22.46 J14.46
Net-(J14-Pin_47): length 20.3
  Bottom w1.143: J14.47 J22.47
Net-(J14-Pin_48): length 20.3
  Bottom w1.143: J22.48 J14.48
Net-(J14-Pin_49): length 20.3
  Bottom w1.143: J14.49 J22.49
Net-(J14-Pin_50): length 20.3
  Bottom w1.143: J22.50 J14.50
Net-(J14-Pin_51): length 20.3
  Bottom w1.143: J14.51 J22.51
Net-(J14-Pin_52): length 20.3
  Bottom w1.143: J22.52 J14.52
Net-(J14-Pin_53): length 20.3
  Bottom w1.143: J22.53 J14.53
Net-(J14-Pin_54): length 20.3
  Bottom w1.143: J14.54 J22.54
Net-(J14-Pin_55): length 20.3
  Bottom w1.143: J22.55 J14.55
Net-(J14-Pin_56): length 20.3
  Bottom w1.143: J14.56 J22.56
Net-(J14-Pin_57): length 20.3
  Bottom w1.143: J22.57 J14.57

## Copper pours and planes (outline as drawn; the poured copper is in the pictures)
GND on Top, Bottom: 0,105 148.5,105 148.5,0 0,0

## Text on the board
B.Silkscreen: ▓▓████▓▓▒▒ / ░░██████████ / ██████████▓▓░░ / ████████████░░ / ████████████▒▒                                ▓▓▓▓██ / ██████████▓▓░░                              ▓▓██▓▓████ / ████████▓▓░░                            ░░████████████▒▒ / ▓▓████▒▒░░░░                              ▓▓████████████ / ▒▒██▒▒                  ░░░░  ░░            ████████████ / ░░░░              ░░░░    ░░░░░░░░░░░░░░  ░░██████████ / ░░        ░░░░  ░░░░░░░░░░░░░░░░░░░░░░░░░░░░▓▓████████ / ░░░░░░░░░░░░░░░░░░░░░░░░░░░░░░░░░░░░░░██████▓▓ / ░░░░████▓▓░░░░░░░░░░░░░░░░░░░░░░░░░░░░██████ / ░░░░██████████░░░░░░░░░░░░░░░░░░░░░░░░░░░░ / ░░░░░░░░▒▒████▓▓████▒▒░░░░░░░░▒▒████░░░░░░░░░░░░ / ░░░░░░░░░░▓▓████▓▓██▓▓░░  ░░░░░░██████▓▓░░░░░░░░░░ / ░░░░░░░░░░████████░░          ░░████████░░░░░░░░░░ / ░░░░░░░░░░████▓▓                ██▓▓████░░░░░░░░░░░░ / ░░░░░░░░░░████                    ████▓▓░░░░░░░░░░ / ░░░░░░░░░░░░░░                    ▒▒██▒▒░░░░░░░░░░ / ░░░░░░░░░░░░        ░░██████▒▒      ██░░░░░░░░░░░░ / ░░░░░░░░░░░░░░  ░░░░▒▒▓▓████████░░░░▓▓░░░░░░░░░░ / ░░██░░░░░░░░░░░░░░░░░░░░██████████░░░░░░░░░░░░░░░░ / ░░████▓▓░░░░░░▒▒░░░░░░░░░░▒▒██████▒▒░░░░░░░░░░░░░░ / ▓▓██████▓▓▒▒▒▒▒▒▒▒░░░░░░░░░░░░░░░░░░░░░░░░░░░░░░░░░░ / ▒▒▓▓██████████████▒▒▒▒▒▒▒▒░░░░░░░░░░░░░░░░░░░░░░░░▒▒████░░ / ▓▓██████████████████████▓▓▓▓▓▓▓▓▒▒░░░░░░░░░░▒▒▓▓▓▓██████████▓▓▒▒ / ░░▓▓████████████████████████████████████▓▓▒▒▒▒████████████████████ / ██▓▓████████████████████████████████████████████████████████████████ / ████▓▓████████████████████████████████████████████████████████████████▒▒ / ▓▓▓▓████████████████████████████████████████████████████████████████████ / ▓▓████████████████▓▓░░░░░░▒▒░░░░░░▒▒▒▒▒▒▒▒▒▒▒▒▒▒▒▒▓▓██████████████████████▓▓ / ██████████████████▒▒░░░░░░░░░░░░░░░░░░░░░░░░░░░░░░▒▒▒▒▒▒▒▒██████████████████ / ▓▓████████████████▒▒░░░░░░░░░░░░░░░░░░░░░░░░░░░░░░▒▒▒▒▒▒▒▒██████████████████░░ / ▒▒▓▓████████████████▓▓░░░░░░░░░░░░░░░░░░░░░░░░░░░░░░░░▒▒▒▒▒▒██████████████████▓▓ / ████████████████████▓▓░░░░░░░░░░░░░░░░░░░░░░░░░░░░░░░░▒▒▒▒▒▒████████████████████ / ▓▓▓▓██████████████████░░░░░░░░░░░░░░░░░░░░░░░░░░░░░░░░▒▒▒▒▒▒██████████████████▓▓ / ▓▓████████████████████▒▒░░░░░░░░░░░░░░░░░░░░░░░░░░░░░░▒▒▒▒▓▓██████████████████▓▓ / ████████████████████████░░░░░░░░░░░░░░░░░░░░░░░░░░░░░░▒▒▒▒██████████████████████ / ████████████████████████░░░░░░░░░░░░░░░░░░░░░░░░░░░░░░░░▒▒██████████████████████ / ████████████████████▓▓░░░░░░░░░░░░░░░░░░░░░░░░░░░░░░░░▒▒██████████████████████ / ████████████████████▒▒░░░░░░░░░░░░░░░░░░░░░░░░░░░░░░░░██████████████████████████████▒▒ / ██████████████████▓▓▒▒░░░░░░░░░░░░░░░░░░░░░░░░░░░░░░░░▓▓████████████████████████████████▒▒ / ▒▒████████████████████▓▓▒▒░░░░░░░░░░░░░░░░░░░░░░░░░░░░▒▒▓▓████████████████████████████████▓▓▓▓ / ████████████████████████▒▒▒▒░░░░░░░░░░░░░░░░░░░░░░░░░░▒▒▒▒████▓▓██████████████████████████████░░ / ▒▒████████████████████████▓▓▒▒░░░░░░░░░░░░░░░░░░░░░░░░░░░░▓▓██████████████████████████████████████ / ████████████████████████████▒▒░░░░░░░░░░░░░░░░░░░░░░░░░░▒▒████████████████████████████████████████ / ████████████████████████████▒▒▒▒░░░░░░░░░░░░░░░░░░░░░░░░▒▒████████████████████████████████▓▓██████ / ████████████████████████████▒▒▒▒░░░░░░░░░░░░░░░░░░░░░░▒▒▒▒██████████████████████████████████▓▓████ / ████████████████████████████▒▒▒▒░░░░░░░░░░░░░░░░░░░░▒▒▒▒▒▒████████████████████████████▓▓▓▓▓▓▓▓██▓▓ / ░░▓▓██████████████████████████▒▒▒▒░░░░░░░░░░░░░░░░░░░░▒▒▒▒▒▒██████████████████████████▓▓▓▓▓▓▓▓▓▓██ / ████████████████▓▓▓▓████████▒▒▒▒▒▒▒▒░░░░░░░░░░░░▒▒▒▒░░      ▒▒██████████████████████▓▓████████▓▓ / ████████████████▓▓██████████  ░░▒▒▒▒▒▒▒▒▒▒▒▒░░░░░░            ████████████████████▓▓████████▒▒ / ██████████████████████████▓▓                                    ██████████████████▓▓▓▓▓▓██▓▓ / ████████████████▓▓██████                                        ██████████████████████ / ██████████████████████▒▒ | I2C_SCL | I2C_SDA | SERIAL_TX | SERIAL_RX | GPIO_18 | GPIO_16 | GPIO_15 | GPIO_14 | GPIO_12 | GPIO_11 | GPIO_10 | GPIO_09 | GPIO_01 | 3.3V | GND | 5.0V | SPI_SCK | SPI_MOSI | SPI_MISO | SPI_CS | GPIO_17 | GPIO_13 | GPIO_08 | GPIO_07 | GPIO_06 | GPIO_05 | GPIO_04 | GPIO_03 | GPIO_02 | GPIO_00 | 00 | 01 | 02 | 03 | 04 | 05 | 06 | 07 | 08 | 09 | 10 | 11 | 12 | 13 | 14 | 15 | 16 | 17 | 18 | 19 | 20 | 21 | 22 | (: | 24 | 25 | 26 | 27 | 28 | 29 | 30 | 31 | 32 | 33 | 34 | 35 | 36 | 37 | 38 | 39 | 40 | 41 | :) | 43 | 44 | 45 | 46 | 47 | 48 | 49 | 50 | 51 | 52 | 53 | 54 | 55 | 56
User.Comments: NOTES / - durchgehende pin headers ( board can be used from both sides ) / - pins beidseitig beschriften ( inklusive connecting lines )
F.Silkscreen: 3.3V | GND | 5.0V | I2C_SCL | I2C_SDA | SERIAL_TX | SERIAL_RX | SPI_SCK | SPI_MOSI | SPI_MISO | SPI_CS | GPIO_18 | GPIO_17 | GPIO_16 | GPIO_15 | GPIO_14 | GPIO_13 | GPIO_12 | GPIO_11 | GPIO_10 | GPIO_09 | GPIO_08 | GPIO_07 | GPIO_06 | GPIO_05 | GPIO_04 | GPIO_03 | GPIO_02 | GPIO_01 | GPIO_00 | 00 | 01 | 02 | 03 | 04 | 05 | 06 | 07 | 08 | 09 | 10 | 11 | 12 | 13 | 14 | 15 | 16 | 17 | 18 | 19 | 20 | 21 | 22 | (: | 24 | 25 | 26 | 27 | 28 | 29 | 30 | 31 | 32 | 33 | 34 | 35 | 36 | 37 | 38 | 39 | 40 | 41 | :) | 43 | 44 | 45 | 46 | 47 | 48 | 49 | 50 | 51 | 52 | 53 | 54 | 55 | 56 | 傲慢と無知
